# Allegro board HI3516APERB_VER_B_PCB.brd (continued)
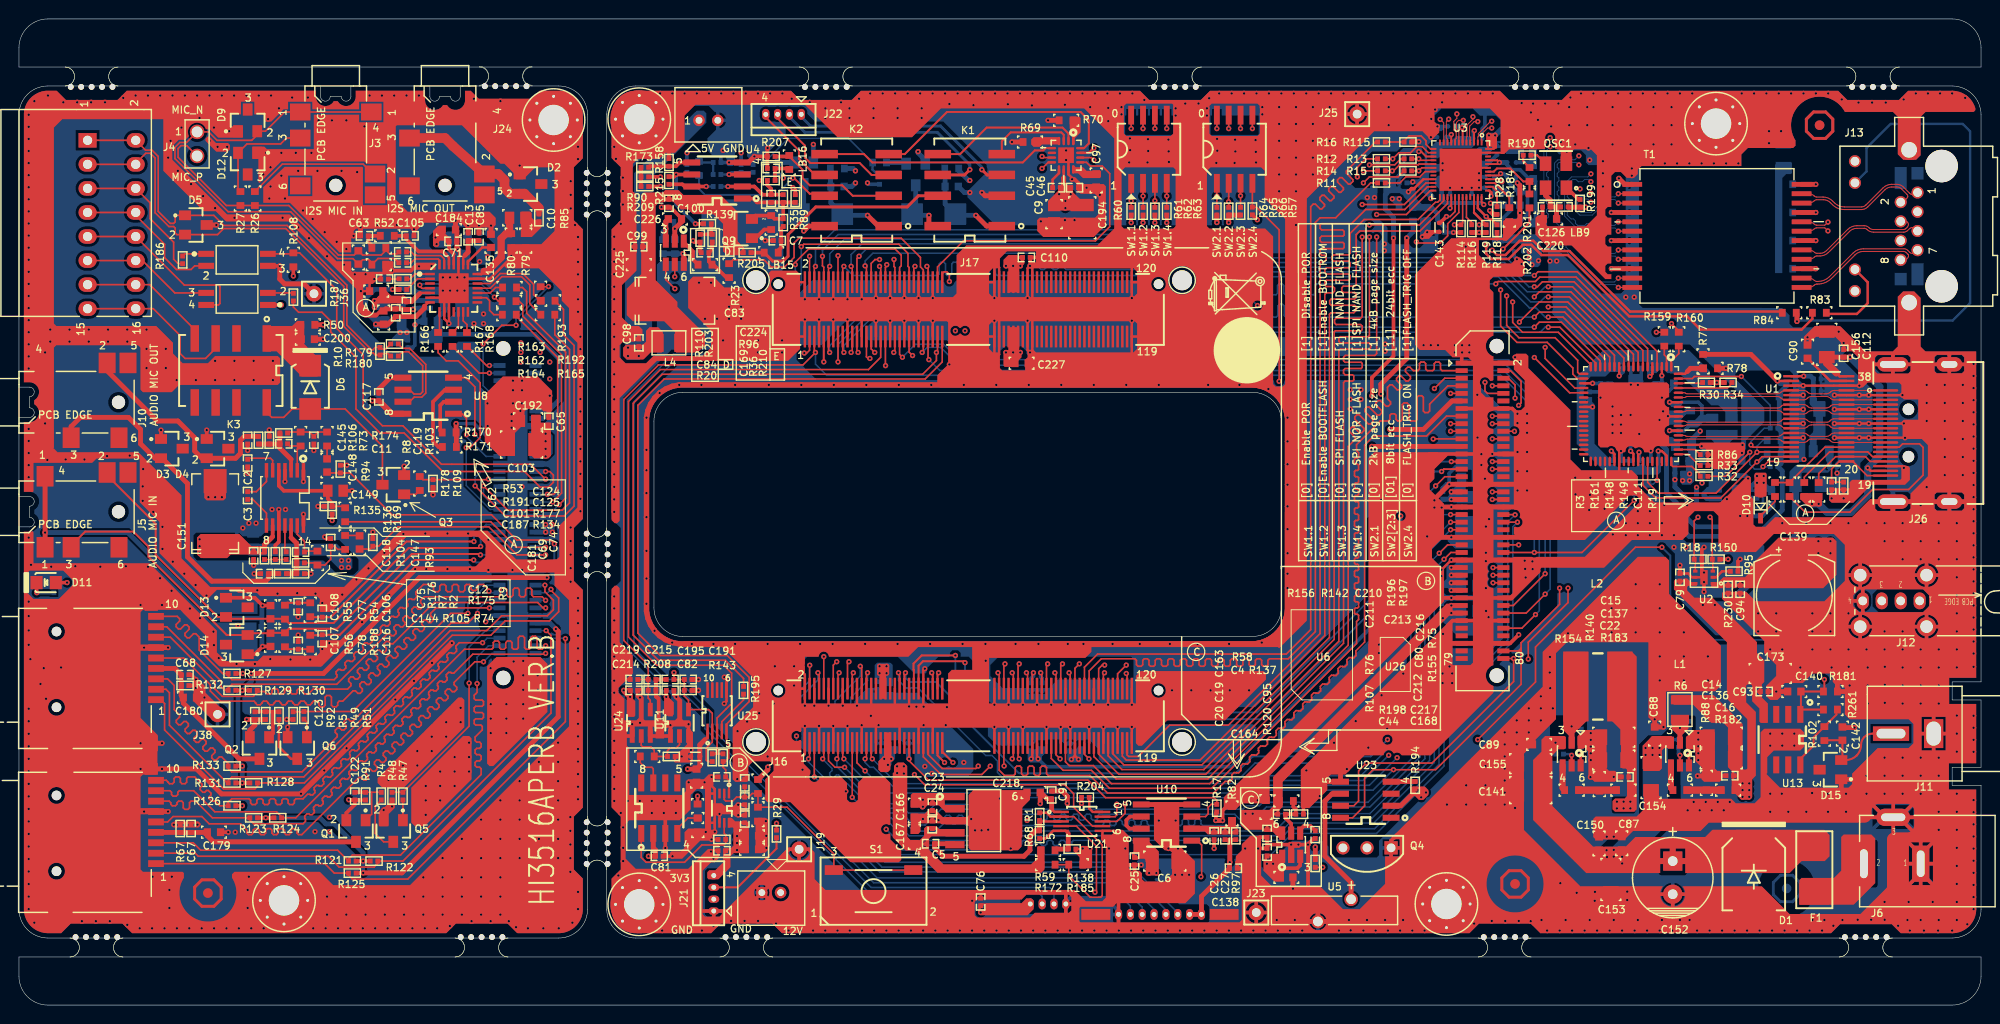
[diagram p0: board, top side]
## Routing (per net, layer and track width the routed paths; a pad name or vN(x,y) marks a point on that pad's centre or on a via; arc(x,y) is an arc through that point) (continued)
  TOP w0.406: 150.08,43 v1(151.14,43) J8.63
  TOP w0.508: 171.83,52.81 v1(173.61,52.81) 179.59,52.81 v1(180.21,53.43) 180.28,53.43 v1(182.45,55.61) ; C100.2 v1(67.79,84.27) ; v1(192.79,22.32) 192.28,22.83 D15.1 193.93,23.84 ; R155.1 v1(78.82,19.42) ; 158.12,67.79 158.1,67.8 J8.2 J8.1 ; C91.2 110.06,22.6 110.6,22.06 110.62,22.04 v1(110.62,21.3) ; 159.05,55 J8.34 J8.33 v1(150.92,55) 149.22,53.31 ; J8.64 157.46,43 160.27,45.81 160.27,46.32 ; 205.59,53.16 205.57,53.17 J26.22 201.41,53.17 201.4,53.18 ; U24.1 v1(64.71,29.66) ; C163.2 v1(130.71,21.62) ; 139.45,24.73 U23.5 137.79,23.59 135.53,21.33 ; J26.20 197.72,51.89 197.61,51.78 ; J26.20 195.57,53.17 194.44,52.04 ; J26.20 200.27,53.17 200.28,53.18 ; v1(151.14,47) J8.53 J8.54 158.54,47 ; R115.1 147,91.19 v1(147.7,91.19) ; C217.2 v1(78.85,17.87) ; 150.88,38.2 J8.75 J8.76 ; 149.16,52.6 v1(151.14,52.6) J8.39 J8.40 159.32,52.6 ; R88.2 v1(177.11,24.2) ; R78.1 v1(180.11,67.25) ; K1.2 101.95,85.47 v1(101.6,85.82) ; 205.62,67.67 205.66,67.71 ; C226.2 69.91,82.71 v1(69.2,82) U27.2 ; U10.5 U10.4 ; U5.2 138.34,8.83 138.43,8.73 ; U5.2 137.06,10.16 137.16,10.25 ; U5.2 135.92,8.83 135.76,8.98 ; 191.9,34.26 191.87,34.23 R181.2 192.76,33.11 ; v1(185.42,33.11) C140.2 ; R140.2 v1(165.81,24.07) ; v1(173.52,29.37) C88.2 v1(172.59,30.18) ; v1(74.93,88.99) U4.4 76.96,88.99 v1(77.6,89.63) ; R30.2 v1(179.15,65.75) R34.2 ; C22.2 v1(168.28,24.1) ; v1(108.58,93.44) R70.2 ; C164.2 v1(134.43,12.29) ; C142.2 192.47,29.3 v1(193.68,29.3) ; C191.2 v1(71.7,34.38) ; 149.13,49.4 v1(151.14,49.4) J8.47 J8.48 159.48,49.4 ; U24.3 66.61,29.66 ; R184.2 158.09,82.75 158.37,83.03 v1(158.37,83.66) 158.37,86.57 v1(158.11,86.83) ; J8.26 158.81,58.2 ; R143.2 v1(71.7,33.24) ; v1(104.78,91.15) R69.2 ; v1(126.29,19.49) v1(127,19.49)
  TOP w0.559: 132.46,39 133,39.53 133.42,40.16 133.71,40.86 133.85,41.6 ; 132.46,39 132.21,38.83 ; 132.46,39 131.83,38.58 v1(131.14,38.29) 130.4,38.14 v1(127.69,38.14) v1(124.36,38.14) v1(121.44,38.14) v1(118.26,38.14) v1(115.39,38.14) v1(112.32,38.14) v1(110.67,38.14) 108.03,38.14 107.95,38.07 ; v1(62.81,73.23) v1(62.81,71.91) v1(62.81,70.59) v1(62.81,69.26) v1(62.81,67.94) v1(62.81,66.62) v1(62.81,65.3) v1(62.81,63.98) v1(62.81,62.66) v1(62.81,61.34) v1(62.81,60.02) v1(62.81,58.69) v1(62.81,57.37) v1(62.81,56.05) v1(62.81,54.73) v1(62.81,53.41) v1(62.81,52.09) ; 133.85,41.6 v1(133.85,44.04) v1(133.85,45.56) v1(133.85,47.72) v1(133.85,50.26) v1(133.85,52.67) v1(133.85,54.96) v1(133.85,57.12) v1(133.85,59.53) v1(133.85,62.04) 133.81,62.27 133.75,62.57 133.71,62.78 133.49,63.29 133.42,63.48 133.3,63.66 133.13,63.91 133,64.11 132.46,64.64 v1(131.83,65.06) ; 133.85,41.6 133.85,41.37 ; v1(131.83,65.06) 132.21,64.81 ; v1(131.83,65.06) 131.14,65.35 130.4,65.5 v1(128.78,65.5) v1(125.48,65.5) v1(120.27,65.5) v1(116.84,65.5) v1(113.41,65.5) v1(109.98,65.5) v1(106.55,65.5) v1(103.12,65.5) v1(99.69,65.5) v1(96.27,65.5) v1(92.84,65.5) v1(89.41,65.5) v1(85.98,65.5) v1(82.55,65.5) v1(79.12,65.5) v1(75.56,65.5) v1(72.01,65.5) v1(69.67,65.5) 68.93,65.35 68.23,65.06 v1(67.6,64.64) 67.07,64.11 66.65,63.48 66.36,62.78 v1(66.21,62.04) v1(66.21,58.64) v1(66.21,56.48) v1(66.21,54.07) v1(66.21,51.53) v1(66.21,47.97) v1(66.21,45.05) v1(66.21,42.39) 66.21,41.6 66.36,40.86 66.65,40.16 v1(67.07,39.53) 67.6,39 68.23,38.58 v1(68.93,38.29) 69.67,38.14 v1(70.99,38.14) ; v1(62.81,35.54) v1(62.81,36.81) v1(62.81,38.08) v1(62.81,39.35) v1(62.81,40.62) v1(62.81,41.89) v1(62.81,43.16) ; v1(148.95,96.28) v1(150.26,96.28) v1(151.57,96.28) v1(152.88,96.28) v1(154.19,96.28)
  TOP w0.762: 118.24,95.65 89,95.65 ; M7.1 M7.2 70.03,95.65 81.79,95.65 ; 129.87,95.65 125.86,95.65
  GND02 w0.381: J14.8 116.64,10.39 ; J14.8 115.4,10.39 ; J14.8 115.4,8.76 ; J14.8 116.64,8.76 ; 194.28,44.15 J12.8 ; J12.8 195.54,45.41 ; J12.8 193.02,45.41 ; J12.8 194.28,46.67 ; J26.20 197.72,54.17 ; J26.20 195.83,53.17 ; J26.20 197.72,52.17 ; J26.20 199.61,53.17 ; 193.67,42.69 J12.4 ; J12.4 194.55,41.56 ; J12.4 195.43,42.69 ; J12.4 194.55,43.82 ; J21.1 74.13,10.56 ; J21.1 72.5,9.31 ; J21.1 72.5,10.56 ; J21.1 74.13,9.31 ; J26.23 203.68,68.67 ; J26.23 205.28,67.67 ; J26.23 202.08,67.67 ; J26.23 203.68,66.67 ; 194.28,38.71 J12.6 ; J12.6 194.28,41.23 ; J12.6 195.54,39.97 ; J12.6 193.02,39.97 ; 197.76,18.68 J6.3 ; J6.3 199.78,19.83 ; J6.3 195.74,19.83 ; J6.3 197.76,20.99 ; 202.03,26.9 J11.2 ; J11.2 202.03,30.44 ; J11.2 200.77,28.67 ; J11.2 203.28,28.67 ; 197.72,66.67 J26.21 ; J26.21 195.83,67.67 ; J26.21 197.72,68.67 ; J26.21 199.61,67.67 ; J26.22 203.68,54.17 ; J26.22 202.08,53.17 ; J26.22 203.68,52.17 ; J26.22 205.28,53.17 ; J12.5 201.28,41.23 ; J12.5 201.28,38.71 ; J12.5 200.02,39.97 ; J12.5 202.54,39.97 ; Q4.1 144.78,17.55 ; Q4.1 145.72,16.6 ; Q4.1 143.84,16.6 ; Q4.1 144.78,15.66 ; J19.1 82.32,17.52 ; J19.1 81.25,16.45 ; J19.1 83.39,16.45 ; J19.1 82.32,15.39 ; 109.84,9.86 J20.4 ; J20.4 111.08,11.49 ; J20.4 109.84,11.49 ; J20.4 111.08,9.86 ; 173.54,10.75 C152.2 ; C152.2 175.45,10.75 ; C152.2 173.54,12.66 ; C152.2 175.45,12.66 ; J6.1 201.82,14.93 ; J6.1 200.66,12.78 ; J6.1 199.51,14.93 ; J6.1 200.66,17.08 ; J15.2 73.74,94.29 ; J15.2 74.59,93.44 ; J15.2 72.88,93.44 ; J15.2 73.74,92.59 ; J12.7 201.28,46.67 ; J12.7 202.54,45.41 ; J12.7 200.02,45.41 ; J12.7 201.28,44.15 ; 140.13,94.1 J25.1 ; J25.1 141.2,95.17 ; J25.1 141.2,93.03 ; J25.1 142.27,94.1 ; 77.72,12.55 J18.2 ; J18.2 79.05,11.22 ; J18.2 77.72,11.22 ; J18.2 79.05,12.55 ; J23.1 131.62,9.77 ; J23.1 130.56,8.71 ; J23.1 130.56,10.84 ; J23.1 129.49,9.77
  GND02 w0.762: 189.92,93.03 189.92,92.93 J13.13
  ART03 w0.508: 156.34,84.68 156.32,84.69 v1(155.27,84.69)
  ART03 w0.559: 151.86,52.16 151.86,49.88 ; 151.86,52.16 151.86,52.48 154.56,55.18 154.56,57.64 155.12,58.2 v1(155.46,58.2) 155.89,58.2 156.68,57.41 156.68,52.89 v1(155.12,51.33) 154.78,50.99 v1(154.78,50.54) v1(154.78,47.77) v1(154.78,46.88) v1(154.78,44.04) 154.78,39.59 v1(150.95,35.76) v1(150.21,35.02) v1(146.17,30.98) v1(144.37,29.18) v1(142.38,27.19) v1(140.12,24.93) v1(137.26,22.07) 131.72,16.53 131.27,16.53 131.27,16.54 v1(130.76,16.54) v1(129.39,16.54) v1(126.11,16.54) v1(122.3,16.54) v1(121.28,16.54) v1(116.74,16.54) v1(115.01,16.54) v1(113,16.54) v1(112.24,16.54) v1(104.65,16.54) 104.25,16.54 v1(102.27,18.52) v1(96.33,24.46) ; 151.86,52.16 151.42,52.6 v1(151.14,52.6) ; 151.86,49.88 151.39,49.4 v1(151.14,49.4) ; 151.86,49.88 151.86,40.8 v1(150.26,39.2) v1(146.06,35.01) v1(143.78,32.72) v1(141.05,29.99) v1(138.76,27.7) v1(135.84,24.78) 132.68,21.62 ; v1(96.14,38.14) v1(99.57,38.14) v1(101.98,38.14) v1(105.16,38.14) v1(107.57,38.14) v1(110.67,38.14) v1(112.32,38.14) v1(115.39,38.14) v1(118.26,38.14) v1(121.44,38.14) v1(124.36,38.14) v1(127.69,38.14) 130.4,38.14 v1(131.14,38.29) 131.83,38.58 132.46,39 133,39.53 133.42,40.16 133.71,40.86 133.85,41.6 v1(133.85,44.04) v1(133.85,45.56) v1(133.85,47.72) v1(133.85,50.26) v1(133.85,52.67) v1(133.85,54.96) v1(133.85,57.12) v1(133.85,59.53) v1(133.85,62.04) 133.71,62.78 133.42,63.48 133,64.11 132.46,64.64 v1(131.83,65.06) 131.14,65.35 130.4,65.5 v1(128.78,65.5) ; 132.68,21.62 v1(130.71,21.62) ; 132.68,21.62 130.55,19.49 v1(127,19.49) v1(126.29,19.49) v1(122.05,19.49) v1(120.27,19.49) 105.83,19.49 v1(103.5,21.81) v1(99.69,25.62)
  ART04 w0.381: 72.75,93.44 J15.2 ; J15.2 73.74,94.43 ; J15.2 73.74,92.45 ; J15.2 74.73,93.44
  ART04 w0.508: v1(173.61,52.81) 173.77,52.65 175.87,52.65 v1(176.02,52.8)
  ART04 w0.559: v1(131.83,65.06) 132.46,64.64 133,64.11 133.42,63.48 133.71,62.78 v1(133.85,62.04) v1(133.85,59.53) v1(133.85,57.12) v1(133.85,54.96) v1(133.85,52.67) v1(133.85,50.26) v1(133.85,47.72) v1(133.85,45.56) v1(133.85,44.04) 133.85,41.6 133.71,40.86 133.42,40.16 133,39.53 132.46,39 131.83,38.58 v1(131.14,38.29) 130.4,38.14 v1(127.69,38.14) v1(124.36,38.14) v1(121.44,38.14) v1(118.26,38.14) v1(115.39,38.14) v1(112.32,38.14) v1(110.67,38.14) v1(107.57,38.14) v1(105.16,38.14) v1(101.98,38.14) v1(99.57,38.14) v1(96.14,38.14) v1(92.71,38.14) v1(89.28,38.14) v1(85.85,38.14) v1(82.42,38.14) v1(78.99,38.14) v1(75.56,38.14) v1(73.28,38.14)
  BOTTOM w0.381: J25.1 141.2,92.92 ; J25.1 141.2,95.59 ; J25.1 139.76,94.1 ; J25.1 142.63,94.1 ; 150.11,42.89 150.22,43 ; 150.11,42.89 C178.2 150.61,43 ; 150.11,42.89 C189.2 150.71,43 ; v1(172.19,58.54) C55.2 ; R46.2 80.26,87.72 v1(80.64,87.34) ; J11.2 202.03,30.57 ; J11.2 203.42,28.67 ; J11.2 200.63,28.67 ; J11.2 202.03,26.76 ; 200.66,12.31 200.66,12.32 200.66,13.97 ; J21.1 72.2,9.93 ; J21.1 74.35,9.93 ; J21.1 73.31,9.27 ; 197.74,21.53 197.76,21.51 J6.3 ; v1(74.93,88.99) C223.2 74.07,90.04 v1(74.3,90.26) ; J26.21 197.72,66.15 197.74,66.13 ; J26.21 197.72,68.66 197.74,68.67 ; J26.21 195.7,67.67 195.45,67.91 ; J26.21 J26.23 ; 200.3,19.83 200.3,19.83 198.63,19.83 ; 198.96,14.95 198.98,14.93 J6.1 ; J19.1 80.89,16.45 ; J19.1 83.76,16.45 ; J19.1 82.32,15.27 ; J19.1 82.32,17.94 ; J12.5 201.28,41.37 ; J12.5 202.68,39.97 ; J12.5 201.28,38.57 ; J12.5 199.88,39.97 ; J26.20 199.89,53.17 200.03,53.31 ; J26.23 203.68,66.16 203.71,66.13 ; J26.23 205.55,67.67 ; J26.23 203.68,68.7 ; 153.29,56.86 151.61,56.86 150.91,56.16 150.91,55.01 v1(150.92,55) ; R44.2 119.86,94.81 ; C176.2 174.62,65.37 174.09,64.84 C52.2 v1(173.35,64.15) ; 194.28,44.01 J12.8 ; J12.8 194.28,46.81 ; J12.8 195.68,45.41 ; J12.8 192.88,45.41 ; C35.2 154.97,88.8 C130.2 ; J23.1 131.99,9.77 ; J23.1 129.12,9.77 ; J23.1 130.56,8.59 ; J23.1 130.56,11.26 ; R37.2 126.39,94.79 ; 196.85,19.83 195,19.83 195,19.83 ; 196.85,19.83 196.9,19.83 ; 196.85,19.83 195.4,18.38 ; R42.2 118.61,94.83 ; J12.6 195.68,39.97 ; J12.6 192.88,39.97 ; J12.6 194.28,41.37 ; J12.6 194.28,38.57 ; 115.32,10.64 116.02,9.93 J14.8 ; U5.2 138.45,8.83 ; U5.2 137.06,7.87 137.03,7.84 ; U5.2 135.79,8.83 ; U5.2 137.06,10.23 ; Q4.1 144.78,17.75 ; Q4.1 143.76,16.6 ; Q4.1 146.18,16.6 ; Q4.1 144.78,15.33 ; v1(149.67,92.8) C38.2 ; 202.11,17.32 200.66,15.87 ; 200.66,15.87 200.66,15.86 ; 200.66,15.87 200.66,17.47 200.66,17.47 ; J14.8 115.23,9.58 115.19,9.62 ; J14.8 116.02,8.46 116.03,8.45 ; v1(162.26,78.58) 162.26,78.95 C128.2 161.54,79.28 v1(161.54,78.58) ; v1(153.29,86.32) v1(152.27,86.32) v1(151,86.32) C31.2 ; v1(153.29,86.32) C30.2 ; v1(153.29,86.32) 153.3,86.33 v1(154.06,86.33) C33.2 ; J6.1 202.49,14.93 202.51,14.95 ; J6.1 200.66,15.86 ; J6.1 200.66,14.06 ; 174.62,10 174.5,10.13 C152.2 ; 201.29,53.05 201.41,53.17 J26.22 205.48,53.17 205.49,53.18 ; C152.2 176.09,11.71 176.15,11.65 ; C152.2 172.78,11.71 172.72,11.65 ; C152.2 174.5,13.05 174.62,13.18 ; v1(89.53,86.84) 89.69,86.68 R45.2 ; R40.2 127.64,94.79 ; R206.2 v1(70.48,90.01) ; 198.63,19.83 198.58,19.83 ; 198.63,19.83 200.08,18.38 ; v1(148.59,81.63) C43.2 149.58,80.89 ; C109.2 69.11,82.08 v1(69.2,82) ; J15.2 74.73,93.44 ; J15.2 73.74,94.43 ; J15.2 73.74,92.45 ; J12.4 194.55,43.96 ; J12.4 193.53,42.69 ; J12.4 194.55,41.42 ; R43.2 117.36,94.83 ; J20.4 110.46,9.4 110.49,9.37 ; J20.4 111.46,10.68 111.63,10.51 ; J20.4 110.46,10.86 110.95,11.35 111.38,11.35 ; v1(77.6,89.63) 77.47,89.5 R157.2 ; v1(147.07,86.94) 146.96,86.84 C21.2 ; 200.66,14.06 200.66,13.97 ; 200.66,14.06 202.23,12.49 ; 200.66,13.97 199.19,12.49 ; 171.17,65.86 C54.2 ; C34.2 154.39,92.56 154.69,92.86 154.69,94 ; J18.2 78.38,12.9 ; J18.2 77.44,11.88 ; J18.2 78.38,10.79 ; C29.2 157.77,79.05 v1(158.05,78.77) ; C57.2 C56.2 169.06,58.49 v1(169.04,58.51) ; 196.9,19.83 J6.3 ; 196.9,19.83 195.48,21.25 ; 201.28,44.01 J12.7 ; J12.7 201.28,46.81 ; J12.7 202.68,45.41 ; J12.7 199.88,45.41 ; 199.26,17.27 200.66,15.86 ; 131.58,7.78 103.16,7.78 ; R38.2 128.9,94.79 ; R41.2 121.11,94.79 ; v1(166.88,64.15) C53.2 166.8,64.76 C60.2 ; C28.2 159.45,88.99 C129.2 ; J6.3 198.58,19.83 ; J6.3 197.76,18.08 197.79,18.05 ; 198.58,19.83 200.03,21.28 ; C36.2 v1(148.98,91.66) ; C37.2 157.95,86.99 v1(158.11,86.83) ; C32.2 154.06,87.47 ; R39.2 130.15,94.79 ; C51.2 v1(170.97,60.32) ; v1(170.08,65.53) C50.2
  BOTTOM w0.508: 197.72,54.81 J26.20 197.72,51.89 ; v1(69.2,82) 69.2,80.86 R212.2 ; C209.2 v1(148.59,81.63) 148.1,81.14 v1(148.08,81.14) ; v1(94.87,90.14) 94.87,90.01 95.63,89.25 Q7.2 ; v1(88.27,86.84) 87.88,86.45 C134.2 ; v1(150.22,88.17) 149.96,88.42 149.8,88.42 150.22,88.84 v1(150.22,88.91) ; C222.2 156.39,84.69 v1(155.27,84.69) ; v1(170.81,65.5) 171.17,65.86 ; v1(182.45,55.61) 182.43,55.61 182.12,55.92 C17.2 ; C175.2 174.73,57.36 C59.2 v1(174.73,55.49) 174.73,54.73 176.02,53.43 v1(176.02,52.8) 176.02,51.4 176.91,50.51 180.47,50.51 v1(181.61,51.66) v1(182.37,51.66) 183.9,51.66 184.91,52.67 C162.2 ; v1(154.06,87.85) 154.06,88.31 C130.2 ; C18.2 182.59,53.54 v1(182.57,53.51) U18.2 180.29,53.51 v1(180.21,53.43) ; C207.2 v1(154.8,41.62) ; v1(150.92,55) 150.67,55 150.24,54.58 C188.2 ; 154.81,43.91 154.43,44.29 C205.2 ; v1(147.07,86.94) 147.09,86.96 C132.2 148.4,86.14 148.97,85.57 v1(148.97,85.18) ; 171.83,52.81 C1.2 ; C133.2 99.76,85.82 v1(100.33,85.82) ; v1(158.05,78.77) v1(158.55,78.27) ; C161.2 v1(177.59,55.14) ; 205.55,67.67 205.56,67.66 ; C92.2 v1(177.01,54.68) ; C174.2 177.61,58.22 C58.2 177.67,58.9 v1(177.55,59.02) ; 203.68,54.6 203.68,54.6 J26.22 203.68,51.79 203.68,51.78 ; v1(181.86,59.15) 181.61,58.9 C49.2 ; C171.2 v1(181.8,58.31) ; v1(107.57,38.14) 107.54,38.17 ; C221.2 v1(158.37,83.66) ; Q8.2 v1(83.82,90.9) ; C172.2 v1(173.1,61.8) ; 133.85,41.22 arc(133.84,41.06) 133.82,40.9 arc(133.67,40.5) 133.42,40.16
  BOTTOM w0.559: v1(154.06,86.33) v1(154.06,87.12) v1(154.06,87.85) ; 133.85,41.55 133.84,41.53 ; 133.85,41.55 133.85,40.93 133.82,40.9 ; 133.85,41.55 v1(133.85,44.04) v1(133.85,45.56) v1(133.85,47.72) v1(133.85,50.26) v1(133.85,52.67) v1(133.85,54.96) v1(133.85,57.12) v1(133.85,59.53) v1(133.85,62.04) 133.71,62.78 133.42,63.48 133,64.11 132.46,64.64 v1(131.83,65.06) 131.14,65.35 130.4,65.5 v1(128.78,65.5) v1(125.48,65.5) v1(120.27,65.5) v1(116.84,65.5) v1(113.41,65.5) v1(109.98,65.5) v1(106.55,65.5) v1(103.12,65.5) v1(99.69,65.5) v1(96.27,65.5) v1(92.84,65.5) v1(89.41,65.5) v1(85.98,65.5) v1(82.55,65.5) v1(79.12,65.5) v1(75.56,65.5) v1(72.01,65.5) v1(69.67,65.5) 69.6,65.5 69.58,65.48 68.93,65.35 68.23,65.06 v1(67.6,64.64) 67.07,64.11 66.65,63.48 66.36,62.78 v1(66.21,62.04) v1(66.21,58.64) v1(66.21,56.48) v1(66.21,54.07) v1(66.21,51.53) v1(66.21,47.97) v1(66.21,45.05) v1(66.21,42.39) 66.21,41.6 66.36,40.86 66.65,40.16 v1(67.07,39.53) 67.6,39 68.23,38.58 v1(68.93,38.29) 69.67,38.14 v1(70.99,38.14) v1(73.28,38.14) v1(75.56,38.14) v1(78.99,38.14) v1(82.42,38.14) v1(85.85,38.14) v1(89.28,38.14) v1(92.71,38.14) v1(96.14,38.14) v1(99.57,38.14) v1(101.98,38.14) v1(105.16,38.14) v1(107.57,38.14) v1(110.67,38.14) v1(112.32,38.14) v1(115.39,38.14) v1(118.26,38.14) v1(121.44,38.14) v1(124.36,38.14) v1(127.69,38.14) 130.4,38.14 v1(131.14,38.29) 131.83,38.58 132.46,39 133,39.53 133.42,40.16 ; 150.22,43 v1(151.14,43) 154.03,43 154.05,43.02
  BOTTOM w0.762: C131.2 149.8,88.42
  vias: v1(62.81,90.65) v1(62.81,81.15) v1(62.81,79.83) v1(62.81,78.51) v1(62.81,77.19) v1(62.81,75.87) v1(62.81,74.55) v1(62.81,34.27) v1(62.81,32.99) v1(62.81,31.72) v1(62.81,30.45) v1(62.81,29.18) v1(62.81,27.91) v1(62.81,26.64) v1(62.81,25.37) v1(62.81,24.1) v1(62.81,22.83) v1(62.81,21.56) v1(62.99,89.38) v1(63.25,13.68) v1(63.5,82.52) v1(63.5,20.29) v1(63.72,87.39) v1(63.72,85.97) v1(63.72,84.55) v1(63.75,18.76) v1(63.75,16.6) v1(63.75,15.21) v1(64.23,21.56) v1(65.53,32.48) v1(65.53,29.81) v1(65.5,21.56) v1(65.5,20.29) v1(66.77,21.56) v1(66.77,20.29) v1(67.65,96.28) v1(67.87,7.87) v1(68.04,21.56) v1(68.04,20.29) v1(68.94,96.28) v1(69.31,21.56) v1(69.31,20.29) v1(69.27,7.87) v1(70.23,96.28) v1(70.67,7.87) v1(70.9,26.94) v1(71.52,96.28) v1(71.75,76.29) v1(72.06,7.87) v1(72.39,72.48) v1(72.81,96.28) v1(73.03,76.29) v1(73.03,16.22) v1(73.28,15.46) v1(73.28,8.35) v1(73.66,72.48) v1(74.1,96.28) v1(74.3,70.2) v1(74.93,75.02) v1(74.93,73.75) v1(74.93,72.48) v1(75.14,8.88) v1(75.39,96.28) v1(75.82,28.92) v1(75.79,23.87) v1(76.2,75.02) v1(76.2,73.75) v1(76.2,72.48) v1(76.56,8.88) v1(76.68,96.28) v1(76.83,29.94) v1(77.97,96.28) v1(77.98,70.2) v1(77.98,68.93) v1(77.99,8.88) v1(78.11,32.86) v1(78.11,30.83) v1(78.99,26.26) v1(79.26,96.28) v1(79.63,31.84) v1(79.76,35.78) v1(79.88,8.6) v1(80.52,70.2) v1(80.52,68.93) v1(80.55,96.28) v1(81.21,7.87) v1(81.53,95.73) v1(81.79,35.78) v1(81.79,33.75) v1(82.5,7.87) v1(82.68,24.86) v1(83.44,95.34) v1(83.79,7.87) v1(85.09,94.71) v1(85.09,93.69) v1(85.08,7.87) v1(86.37,7.87) v1(86.74,95.34) v1(87.25,22.57) v1(87.63,94.71) v1(87.63,93.69) v1(87.66,7.87) v1(88.65,95.73) v1(88.92,29.56) v1(88.95,7.87) v1(89.82,96.28) v1(89.89,30.55) v1(90.17,94.71) v1(90.17,93.69) v1(90.24,7.87) v1(90.7,29.56) v1(91.14,96.28) v1(91.53,7.87) v1(92.45,96.28) v1(92.71,94.71) v1(92.71,93.69) v1(92.82,7.87) v1(93.77,96.28) v1(93.92,31.54) v1(94.11,7.87) v1(94.69,31.51) v1(95.09,96.28) v1(95.25,94.71) v1(95.25,93.69) v1(95.38,19.65) v1(95.4,7.87) v1(95.45,31.51) v1(95.45,29.56) v1(95.58,25.21) v1(96.41,96.28) v1(96.69,7.87) v1(97.03,19.53) v1(97.72,96.28) v1(97.79,29.56) v1(97.92,31.46) v1(97.98,7.87) v1(98.17,95.17) v1(98.17,67.66) v1(99.04,96.28) v1(99.27,7.87) v1(100.36,96.28) v1(100.48,19.65) v1(100.58,11.02) v1(100.56,7.87) v1(100.71,95.04) v1(100.88,18.45) v1(101.57,18.45) v1(101.68,96.28) v1(101.86,7.87) v1(102.01,36.37) v1(102.99,96.28) v1(103.15,7.87) v1(104.31,96.28) v1(104.34,95.14) v1(104.44,7.87) v1(105.63,96.28) v1(105.73,7.87) v1(106.38,19.5) v1(106.95,96.28) v1(106.88,95.01) v1(107.02,7.87) v1(107.82,82.77) v1(108.26,96.28) v1(108.31,7.87) v1(109.58,96.28) v1(109.6,7.87) v1(110.36,95.09) v1(110.36,82.9) v1(110.49,90.26) v1(110.9,96.28) v1(110.89,7.87) v1(111.38,82.9) v1(112.21,96.28) v1(112.18,7.87) v1(112.65,86.33) v1(113.03,94.84) v1(113.53,96.28) v1(113.47,7.87) v1(114.05,85.57) v1(114.85,96.28) v1(114.76,7.87) v1(114.94,94.75) v1(114.94,93.36) v1(116.05,7.87) v1(116.17,96.28) v1(116.33,94.84) v1(116.33,94.07) v1(117.14,88.99) v1(117.22,91.53) v1(117.25,90.29) v1(117.34,7.87) v1(117.48,96.28) v1(118.63,7.87) v1(118.75,95.6) v1(119.13,91.45) v1(119.08,88.99) v1(119.15,90.21) v1(119.92,7.87) v1(121.21,7.87) v1(121.28,91.41) v1(121.31,90.16) v1(121.34,89.05) v1(121.67,33.24) v1(122.05,94.71) v1(122.05,93.95) v1(122,13.76) v1(122.5,7.87) v1(122.73,13.76) v1(123.06,95.22) v1(123.47,13.76) v1(123.7,33.24) v1(123.79,7.87) v1(124.46,95.22) v1(125.08,7.87) v1(125.35,94.71) v1(125.35,93.95) v1(125.59,95.78) v1(125.73,33.24) v1(126.34,88.94) v1(126.42,91.48) v1(126.44,90.24) v1(126.37,7.87) v1(126.64,96.28) v1(127.66,7.87) v1(127.76,33.24) v1(127.96,96.28) v1(128.32,91.4) v1(128.35,90.16) v1(128.27,88.94) v1(128.96,7.87) v1(129.27,96.28) v1(129.79,33.24) v1(130.25,7.87) v1(130.48,91.36) v1(130.51,90.11) v1(130.53,88.99) v1(130.58,96.28) v1(131.19,94.84) v1(131.19,94.07) v1(131.54,7.87) v1(131.89,96.28) v1(132.72,8.98) v1(132.83,7.87) v1(132.97,94.84) v1(132.97,93.06) v1(132.97,91.28) v1(132.97,89.5) v1(132.97,87.72) v1(132.97,85.95) v1(132.97,84.17) v1(133.2,96.28) v1(134.12,7.87) v1(134.51,96.28) v1(134.62,8.98) v1(134.75,94.84) v1(134.75,93.06) v1(134.75,91.28) v1(134.75,89.5) v1(134.75,87.72) v1(134.75,85.95) v1(134.75,84.17) v1(134.75,82.39) v1(135.41,7.87) v1(135.83,96.28) v1(136.53,94.84) v1(136.53,93.06) v1(136.53,91.28) v1(136.53,89.5) v1(136.53,87.72) v1(137.14,96.28) v1(138.3,94.84) v1(138.3,93.06) v1(138.3,91.28) v1(138.3,89.5) v1(138.45,96.28) v1(139.28,7.87) v1(139.76,96.28) v1(140.34,8.98) v1(140.46,64.99) v1(140.46,63.98) v1(140.46,62.96) v1(140.51,7.89) v1(141.07,96.28) v1(141.6,64.99) v1(141.6,63.98) v1(141.86,7.87) v1(142.24,8.98) v1(142.27,85.29) v1(142.39,96.28) v1(143.03,85.29) v1(143.15,7.87) v1(143.51,38.07) v1(143.51,37.18) v1(143.7,96.28) v1(143.74,53.36) v1(144.07,80.38) v1(144.07,79.67) v1(144.15,69.82) v1(144.15,69.06) v1(144.15,8.98) v1(144.22,53.82) v1(144.44,7.87) v1(144.53,94.84) v1(144.53,92.93) v1(145.01,96.28) v1(145.73,7.87) v1(146.05,8.98) v1(146.32,96.28) v1(147.02,7.87) v1(147.07,94.84) v1(147.07,92.93) v1(147.63,96.28) v1(148.21,69.69) v1(148.31,7.87) v1(148.59,49.5) v1(149.02,93.59) v1(148.97,69.69) v1(149.43,94.58) v1(149.35,53.31) v1(149.35,52.55) v1(149.73,69.69) v1(150.11,52.55) v1(150.09,45.31) v1(150.16,95.34) v1(150.21,34.01) v1(150.67,21.18) v1(151.23,35.02) v1(151.23,34.01) v1(151.51,69.69) v1(151.51,68.93) v1(152.27,69.69) v1(152.65,80.1) v1(152.7,23.21) v1(152.7,21.18) v1(153.03,69.69) v1(153.03,68.93) v1(153.54,8.6) v1(153.67,80.1) v1(153.87,64.46) v1(153.9,59.94) v1(154.31,58.18) v1(154.31,57.04) v1(154.69,55.59) v1(154.74,25.24) v1(154.74,23.21) v1(154.74,21.18) v1(155.07,40.96) v1(155.4,8.88) v1(155.5,96.28) v1(156.77,28.8) v1(156.77,27.53) v1(156.77,26.26) v1(156.77,24.99) v1(156.77,23.72) v1(156.77,22.45) v1(156.77,21.18) v1(156.83,8.88) v1(157.86,68.42) v1(157.86,20.82) v1(158.04,30.07) v1(158.04,28.8) v1(158.04,27.53) v1(158.12,61.46) v1(158.12,58.41) v1(158.12,56.38) v1(158.12,54.35) v1(158.25,8.88) v1(158.37,67.91) v1(158.55,95.27) v1(158.88,46.93) v1(158.93,46.07) v1(158.98,45.15) v1(159.13,62.45) v1(159.13,61.46) v1(159.13,60.45) v1(159.13,58.41) v1(159.13,56.38) v1(159.13,54.35) v1(159.31,31.34) v1(159.31,30.07) v1(159.31,28.8) v1(159.54,94.28) v1(159.51,8.86) v1(159.74,91.61) v1(159.69,46.86) v1(159.72,46.04) v1(159.77,95.22) v1(160.27,93.49) v1(160.58,32.61) v1(160.58,31.34) v1(160.58,30.07) v1(160.66,8.98) v1(161.04,95.22) v1(161.25,7.87) v1(161.42,80.23) v1(161.54,36.77) v1(161.52,35.12) v1(161.57,33.47) v1(161.67,92.8) v1(161.85,31.34) v1(162.43,95.22) v1(162.64,12.87) v1(162.56,7.87) v1(162.69,91.15) v1(163.19,8.98) v1(163.32,90.14) v1(163.45,39.26) v1(163.58,94.84) v1(163.58,92.93) v1(163.7,95.85) v1(163.88,7.87) v1(164.21,90.9) v1(164.21,55.7) v1(164.24,53.94) v1(164.36,11.86) v1(164.72,86.2) v1(164.82,96.28) v1(165.2,7.87) v1(165.48,94.84) v1(165.48,92.93) v1(165.51,39.36) v1(165.61,90.52) v1(165.56,41.22) v1(165.74,89.25) v1(165.68,52.29) v1(165.74,8.98) v1(165.81,55.7) v1(165.76,53.89) v1(165.85,28.72) v1(165.85,28.01) v1(165.85,27.3) v1(165.85,26.59) v1(165.85,25.88) v1(166.13,96.28) v1(166.29,11.96) v1(166.27,11.02) v1(166.52,7.87) v1(167.13,89.12) v1(167.13,87.85) v1(167.13,86.45) v1(167.31,53.92) v1(167.31,52.42) v1(167.43,96.28) v1(167.54,17.79) v1(167.84,7.87) v1(168.05,41.9) v1(168.05,39.36) v1(168.15,94.84) v1(168.15,92.93) v1(168.15,90.9) v1(168.15,63.21) v1(168.15,62.2) v1(168.15,61.31) v1(168.15,60.42) v1(168.17,49.7) v1(168.28,17.79) v1(168.28,8.98) v1(168.73,96.28) v1(169.04,62.32) v1(169.04,61.31) v1(169.04,60.42) v1(169.16,7.87) v1(169.54,74.77) v1(169.54,50.89) v1(169.54,49.62) v1(169.7,11.98) v1(169.7,11.09) v1(170.04,96.28) v1(170.05,94.84) v1(170.05,92.93) v1(170.05,90.9) v1(170.05,62.32) v1(170.18,88.36) v1(170.18,87.6) v1(170.43,74.77) v1(170.48,7.87) v1(170.59,44.44) v1(170.59,41.9) v1(170.59,39.36) v1(170.81,52.16) v1(170.81,50.89) v1(170.81,49.62) v1(170.81,8.98) v1(171.34,96.28) v1(171.79,7.87) v1(172.09,52.16) v1(172.09,50.89) v1(172.09,49.62) v1(172.37,88.89) v1(172.47,94.84) v1(172.47,92.93) v1(172.47,90.9) v1(172.65,96.28) v1(173.13,44.44) v1(173.13,41.9) v1(173.13,39.36) v1(173.13,36.82) v1(173.13,34.28) v1(173.11,7.87) v1(173.35,50.89) v1(173.35,49.62) v1(173.35,8.98) v1(173.48,62.71) v1(173.67,88.89) v1(173.95,96.28) v1(174.37,94.84) v1(174.37,92.93) v1(174.37,90.9) v1(174.43,7.87) v1(174.62,49.62) v1(174.62,48.35) v1(174.96,88.89) v1(175.25,96.28) v1(175.26,8.98) v1(175.67,39.36) v1(175.67,36.82) v1(175.67,34.28) v1(175.75,7.87) v1(175.9,48.35) v1(176.07,20.57) v1(176.25,88.89) v1(176.28,8.98) v1(176.56,96.28) v1(176.71,21.46) v1(177.07,7.87) v1(177.19,28.75) v1(177.19,28.04) v1(177.19,27.33) v1(177.19,26.59) v1(177.19,25.88) v1(177.34,20.57) v1(177.55,88.89) v1(177.8,45.69) v1(177.98,21.46) v1(178.21,36.82) v1(178.21,34.28) v1(178.39,7.87) v1(178.61,20.57) v1(178.84,88.89) v1(179.25,21.46) v1(179.71,7.87) v1(179.88,20.57) v1(180.13,88.89) v1(180.52,21.46) v1(181.03,7.87) v1(181.42,88.89) v1(181.78,96.28) v1(182.34,7.87) v1(183.08,96.28) v1(183.51,41.37) v1(183.51,39.46) v1(183.66,7.87) v1(184.38,96.28) v1(184.66,92.3) v1(184.66,91.03) v1(184.78,37.56) v1(184.78,28.67) v1(184.78,27.4) v1(184.78,22.32) v1(184.78,20.41) v1(184.98,7.87) v1(185.42,41.37) v1(185.42,39.46) v1(185.69,96.28) v1(185.93,92.3) v1(186,22.32) v1(186.06,50.89) v1(186.06,37.56) v1(186.06,28.67) v1(186.06,27.4) v1(186.3,7.87) v1(186.69,20.41) v1(186.99,96.28) v1(187.32,28.67) v1(187.32,27.4) v1(187.62,7.87) v1(187.96,35.65) v1(187.96,34.38) v1(188.3,96.28) v1(188.34,57.63) v1(188.59,50.89) v1(188.59,20.41) v1(188.72,70.53) v1(188.94,7.87) v1(189.23,41.37) v1(189.23,39.46) v1(189.23,37.56) v1(189.2,22.4) v1(189.23,8.98) v1(189.6,96.28) v1(190.26,7.87) v1(190.5,8.98) v1(190.9,96.28) v1(190.88,22.32) v1(190.88,20.41) v1(191.13,50.89) v1(191.13,41.37) v1(191.13,39.46) v1(191.13,37.56) v1(191.26,53.51) v1(191.26,35.65) v1(191.45,8.38) v1(191.83,56.18) v1(192.01,71.12) v1(192.33,95.65) v1(192.41,8.98) v1(192.53,69.93) v1(192.53,53.51) v1(192.79,20.41) v1(193.04,50.89) v1(193.04,41.37) v1(193.04,37.56) v1(193.07,35.73) v1(193.17,33.75) v1(194.01,9.01) v1(194.1,95.32) v1(194.94,50.89) v1(194.94,37.56) v1(194.94,24.22) v1(194.94,22.32) v1(195.07,35.65) v1(195.07,33.75) v1(195.07,31.84) v1(195.44,9.01) v1(195.54,95.32) v1(196.85,50.89) v1(196.85,48.99) v1(196.85,39.46) v1(196.85,37.56) v1(196.85,26.13) v1(196.85,24.22) v1(196.85,22.32) v1(196.85,10.89) v1(196.88,35.73) v1(196.88,33.83) v1(196.88,31.92) v1(196.86,9.01) v1(196.97,95.32) v1(198.28,8.38) v1(198.75,50.89) v1(198.75,48.99) v1(198.75,47.08) v1(198.75,39.46) v1(198.75,37.56) v1(198.75,35.65) v1(198.75,33.75) v1(198.75,31.84) v1(198.75,26.13) v1(198.75,24.22) v1(198.75,22.32) v1(198.86,95.65) v1(199.26,8.98) v1(199.39,10.89) v1(199.52,7.87) v1(200.14,96.28) v1(200.66,52.8) v1(200.66,50.89) v1(200.66,48.99) v1(200.66,47.08) v1(200.66,37.56) v1(200.66,35.65) v1(200.66,33.75) v1(200.66,31.84) v1(200.66,26.13) v1(200.66,24.22) v1(200.66,22.32) v1(200.66,8.98) v1(201,7.87) v1(201.29,65.5) v1(201.29,63.59) v1(201.29,61.69) v1(201.29,54.7) v1(201.42,96.28) v1(201.93,10.89) v1(202.49,7.87) v1(202.56,50.89) v1(202.56,48.99) v1(202.56,47.08) v1(202.56,37.56) v1(202.56,35.65) v1(202.56,33.75) v1(202.56,31.84) v1(202.56,26.13) v1(202.56,24.22) v1(202.56,22.32) v1(202.56,20.41) v1(202.56,18.51) v1(202.56,8.98) v1(202.7,96.28) v1(203.2,65.5) v1(203.2,63.59) v1(203.2,61.69) v1(203.2,59.78) v1(203.2,57.88) v1(203.2,55.97) v1(203.98,96.28) v1(203.98,7.87) v1(204.47,50.89) v1(204.47,48.99) v1(204.47,47.08) v1(204.47,45.18) v1(204.47,43.27) v1(204.47,41.37) v1(204.47,39.46) v1(204.47,37.56) v1(204.47,35.65) v1(204.47,30.57) v1(204.47,28.67) v1(204.47,26.76) v1(204.47,22.32) v1(204.47,20.41) v1(204.47,18.51) v1(204.47,16.6) v1(204.47,14.7) v1(204.47,12.79) v1(204.47,10.89) v1(204.47,8.98) v1(205.1,65.5) v1(205.1,63.59) v1(205.1,61.69) v1(205.1,59.78) v1(205.1,57.88) v1(205.1,55.97) v1(205.36,95.82) v1(205.58,8.53) v1(206.24,67.73) v1(206.24,66.45) v1(206.24,65.17) v1(206.24,63.89) v1(206.24,62.61) v1(206.24,61.33) v1(206.24,60.05) v1(206.24,58.77) v1(206.24,57.49) v1(206.24,56.21) v1(206.24,54.93) v1(206.24,53.65) v1(206.24,52.37) v1(206.24,51.1) v1(206.24,49.83) v1(206.24,48.56) v1(206.24,47.29) v1(206.24,46.02) v1(206.24,44.75) v1(206.24,43.48) v1(206.24,42.21) v1(206.24,40.94) v1(206.24,39.67) v1(206.24,38.4) v1(206.24,37.13) v1(206.24,35.73) v1(206.24,30.56) v1(206.24,29.29) v1(206.24,28.02) v1(206.24,26.75) v1(206.24,21.65) v1(206.24,20.37) v1(206.24,19.09) v1(206.24,17.81) v1(206.24,16.53) v1(206.24,15.25) v1(206.24,13.97) v1(206.24,12.69) v1(206.24,11.41) v1(206.24,10.13)
